# Altium PCB PCB3.PcbDoc (part 2 of 5) (continued)
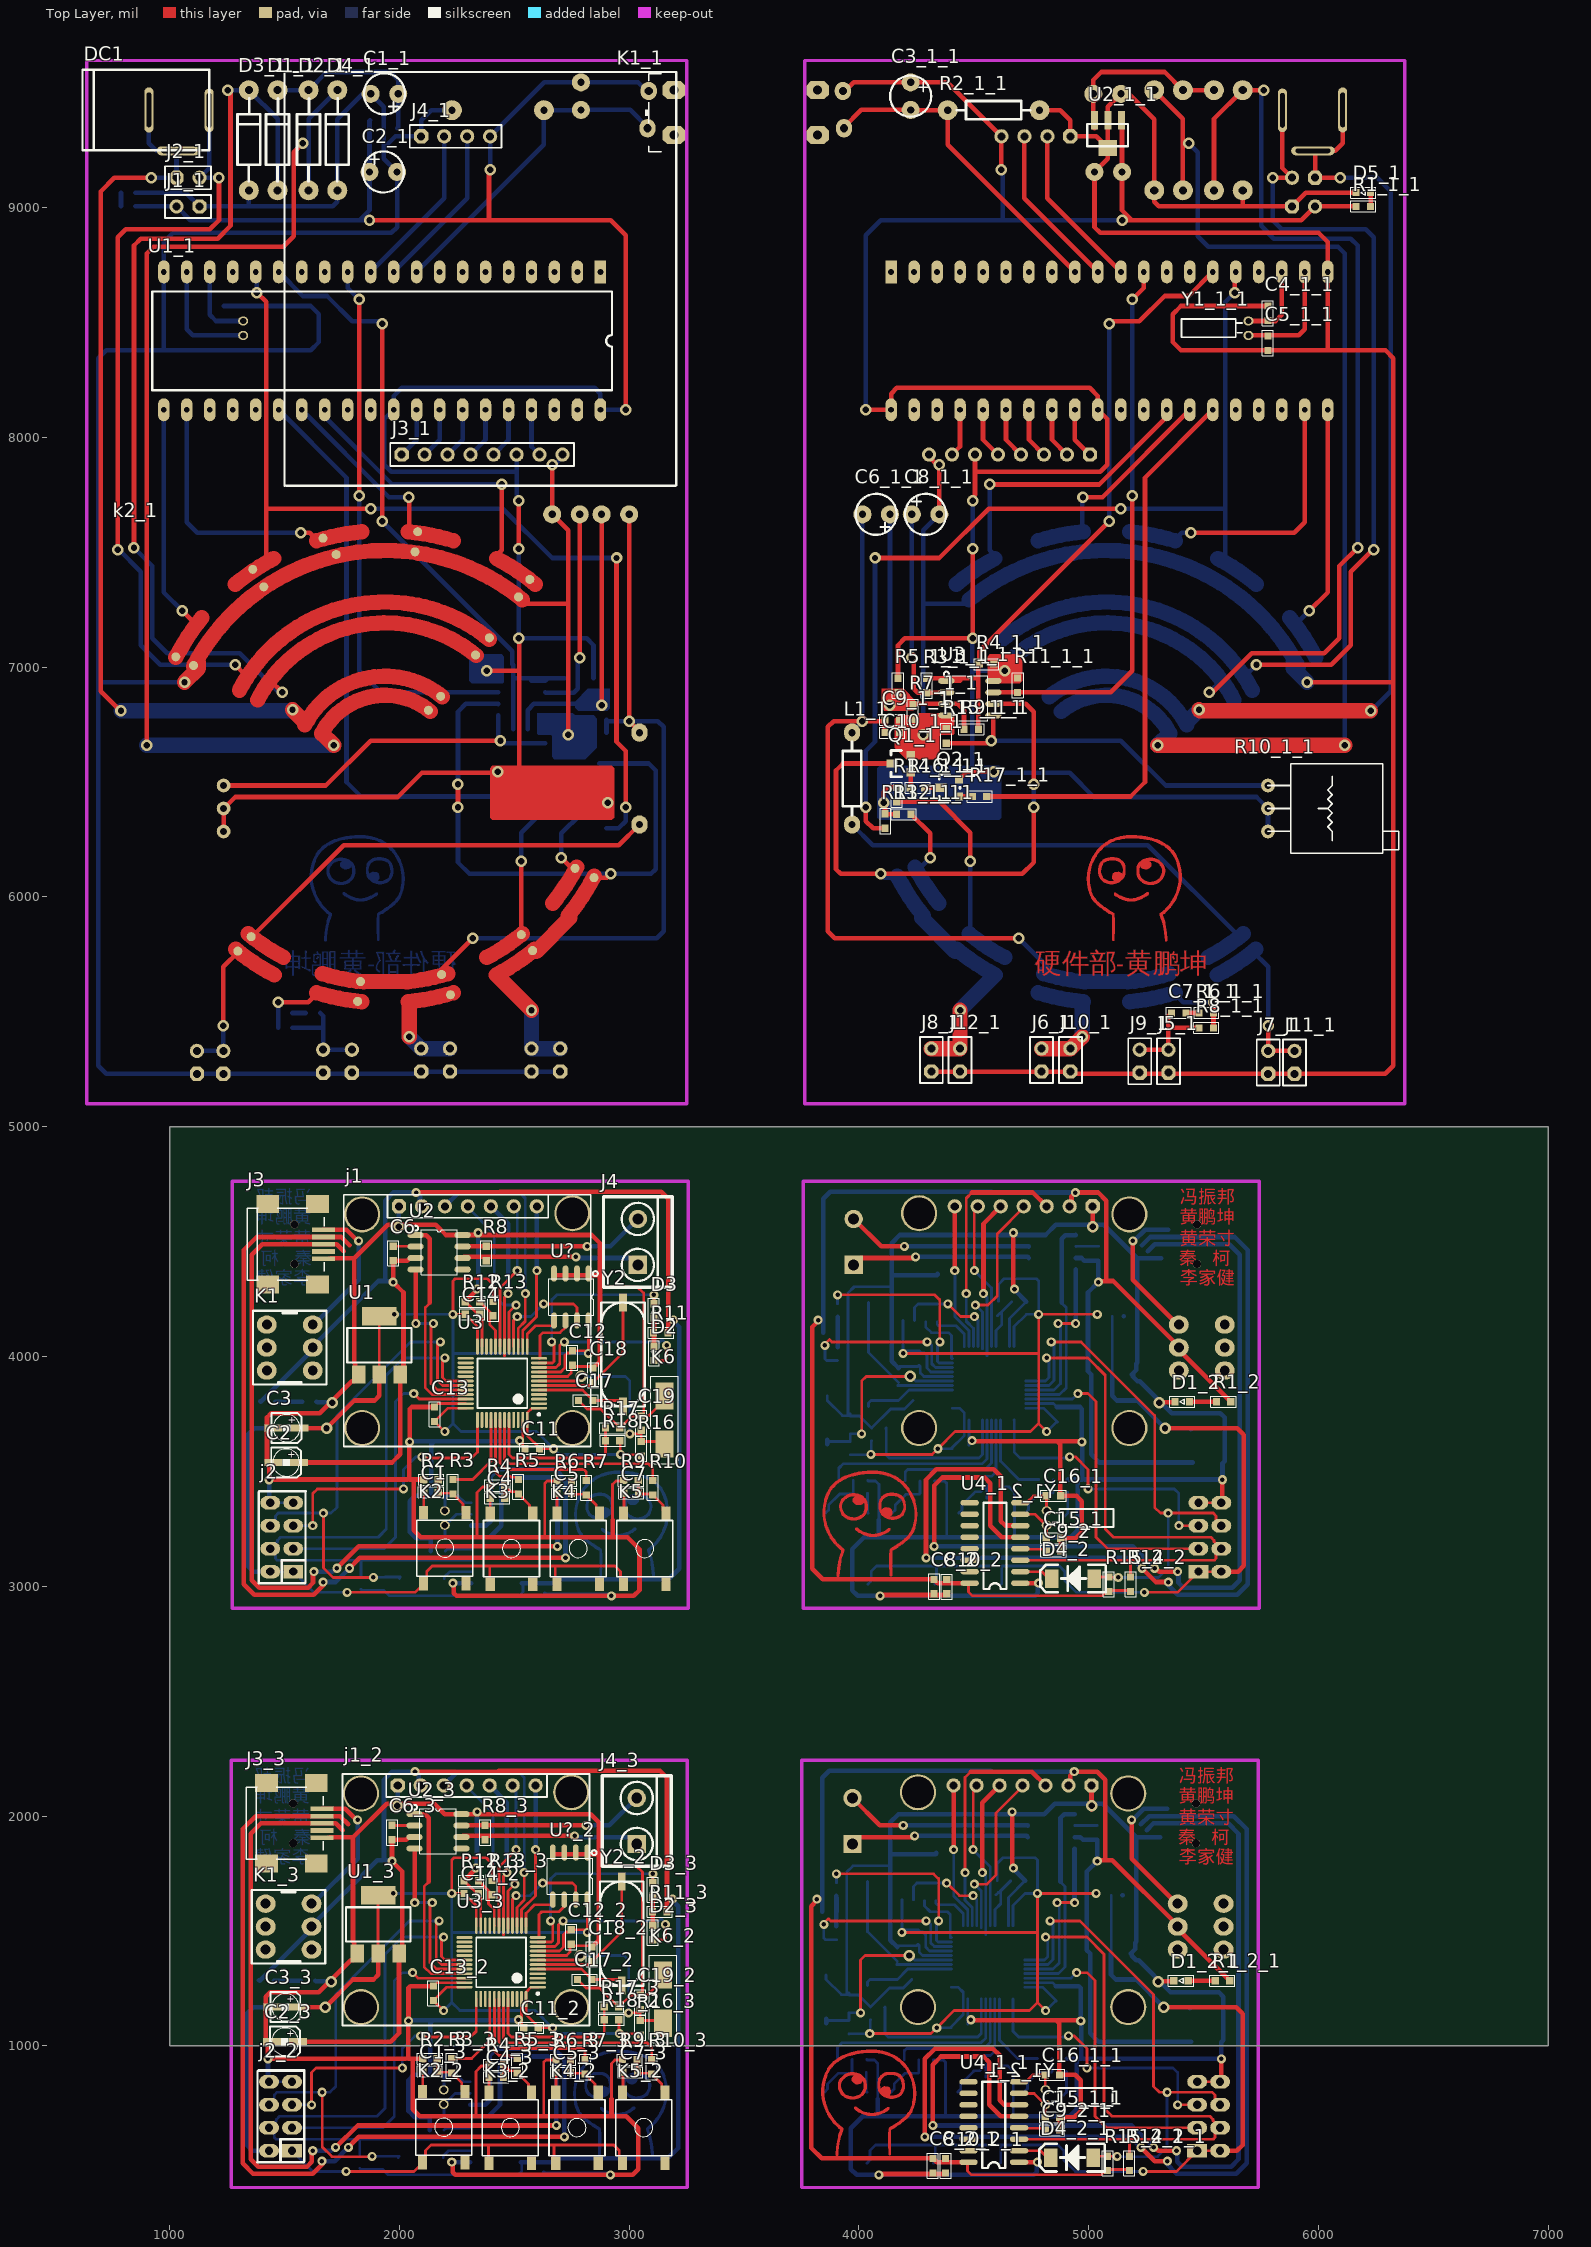
[diagram p0: Top Layer view]
## Nets (pads, with @x,y where several pads share a name; then routed paths per layer and width w, separated by ;. In a path a pad name is that pad's centre, name@x,y a point inside that pad or via, vN(x,y) a via of type N, cw(c..) or ccw(c..) an arc to the next point about the centre after c; other vN are vias at no path point) (continued)
4144,3096 ; 4132,3098 4144,3098 ; 4132,3100 4144,3100 ; 4132,3102 4144,3102 ; 4132,3104 4144,3104 ; 4132,3106 4144,3106 ; 4132,3108 4144,3108 ; 4132,3110 4144,3110 ; 4132,3112 4144,3112 ; 4132,3114 4144,3114 ; 4132,3116 4144,3116 ; 4132,3118 4144,3118 ; 4132,3120 4144,3120 ; 4132,3122 4144,3122 ; 4132,3124 4144,3124 ; 4132,3126 4144,3126 ; 4132,3128 4144,3128 ; 4132,3130 4144,3130 ; 4132,3132 4144,3132 ; 4132,3134 4144,3134 ; 4132,3136 4144,3136 ; 4132,3138 4144,3138 ; 4132,3140 4144,3140 ; 4132,3142 4144,3142 ; 4132,3144 4144,3144 ; 4132,3480 4158,3480 ; 4134,3048 4144,3048 ; 4134,3050 4144,3050 ; 4134,3052 4144,3052 ; 4134,3054 4144,3054 ; 4134,3056 4144,3056 ; 4134,3058 4144,3058 ; 4134,3060 4144,3060 ; 4134,3062 4144,3062 ; 4134,3064 4144,3064 ; 4134,3066 4144,3066 ; 4134,3068 4144,3068 ; 4134,3070 4144,3070 ; 4134,3072 4144,3072 ; 4134,3074 4144,3074 ; 4134,3078 4144,3078 ; 4134,3146 4144,3146 ; 4134,3148 4144,3148 ; 4134,3150 4144,3150 ; 4134,3152 4144,3152 ; 4134,3154 4144,3154 ; 4134,3156 4144,3156 ; 4134,3158 4146,3158 ; 4134,3160 4150,3160 ; 4134,3406 4152,3406 ; 4135,646 4157,646 ; 4135,772 4149,772 ; 4135,956 4159,956 ; 4136,3046 4142,3046 ; 4136,3162 4154,3162 ; 4136,3164 4158,3164 ; 4136,3478 4160,3478 ; 4137,648 4159,648 ; 4140,3166 4162,3166 ; 4140,3292 4154,3292 ; 4140,3476 4164,3476 ; 4141,650 4163,650 ; 4141,954 4163,954 ; 4142,3168 4164,3168 ; 4145,652 4165,652 ; 4145,952 4167,952 ; 4146,3170 4168,3170 ; 4146,3474 4168,3474 ; 4149,654 4167,654 ; 4149,950 4169,950 ; 4150,3172 4170,3172 ; 4150,3472 4172,3472 ; 4151,656 4171,656 ; 4151,948 4171,948 ; 4153,874 4181,874 ; 4154,3174 4172,3174 ; 4154,3470 4174,3470 ; 4155,658 4175,658 ; 4155,784 4179,784 ; 4155,946 4175,946 ; 4156,3176 4176,3176 ; 4156,3468 4176,3468 ; 4157,660 4177,660 ; 4158,3394 4186,3394 ; 4159,944 4177,944 ; 4160,3178 4180,3178 ; 4160,3304 4184,3304 ; 4160,3466 4180,3466 ; 4161,662 4179,662 ; 4161,786 4183,786 ; 4161,942 4179,942 ; 4162,3180 4182,3180 ; 4163,664 4183,664 ; 4163,872 4183,872 ; 4163,940 4181,940 ; 4164,3464 4182,3464 ; 4165,788 4185,788 ; 4166,3182 4184,3182 ; 4166,3306 4188,3306 ; 4166,3462 4184,3462 ; 4167,666 4185,666 ; 4167,870 4185,870 ; 4167,938 4185,938 ; 4168,3184 4188,3184 ; 4168,3392 4188,3392 ; 4168,3460 4186,3460 ; 4169,668 4187,668 ; 4169,790 4187,790 ; 4169,936 4187,936 ; 4170,3308 4190,3308 ; 4171,868 4187,868 ; 4172,3186 4190,3186 ; 4172,3390 4190,3390 ; 4172,3458 4190,3458 ; 4173,670 4189,670 ; 4173,792 4187,792 ; 4173,866 4189,866 ; 4173,934 4189,934 ; 4174,3188 4192,3188 ; 4174,3310 4192,3310 ; 4174,3456 4192,3456 ; 4175,672 4193,672 ; 4175,794 4189,794 ; 4175,932 4191,932 ; 4176,3388 4192,3388 ; 4177,674 4195,674 ; 4177,796 4191,796 ; 4177,862 4191,862 ; 4177,864 4189,864 ; 4177,930 4193,930 ; 4178,3190 4194,3190 ; 4178,3312 4192,3312 ; 4178,3386 4194,3386 ; 4178,3454 4194,3454 ; 4179,798 4191,798 ; 4179,860 4193,860 ; 4179,928 4195,928 ; 4180,3192 4198,3192 ; 4180,3314 4194,3314 ; 4180,3452 4196,3452 ; 4181,676 4197,676 ; 4181,800 4193,800 ; 4181,802 4193,802 ; 4181,856 4193,856 ; 4181,858 4193,858 ; 4181,926 4197,926 ; 4182,3194 4200,3194 ; 4182,3316 4196,3316 ; 4182,3382 4196,3382 ; 4182,3384 4194,3384 ; 4182,3450 4198,3450 ; 4183,678 4199,678 ; 4183,804 4195,804 ; 4183,806 4195,806 ; 4183,852 4195,852 ; 4183,854 4195,854 ; 4183,924 4199,924 ; 4184,3318 4196,3318 ; 4184,3380 4198,3380 ; 4184,3448 4200,3448 ; 4185,680 4203,680 ; 4185,808 4197,808 ; 4185,810 4197,810 ; 4185,846 4197,846 ; 4185,848 4197,848 ; 4185,850 4197,850 ; 4185,922 4201,922 ; 4186,3196 4202,3196 ; 4186,3320 4198,3320 ; 4186,3322 4198,3322 ; 4186,3376 4198,3376 ; 4186,3378 4198,3378 ; 4186,3446 4202,3446 ; 4187,812 4197,812 ; 4187,814 4197,814 ; 4187,816 4199,816 ; 4187,818 4199,818 ; 4187,834 4199,834 ; 4187,836 4199,836 ; 4187,838 4199,838 ; 4187,840 4197,840 ; 4187,842 4197,842 ; 4187,844 4197,844 ; 4187,920 4203,920 ; 4188,3198 4204,3198 ; 4188,3324 4200,3324 ; 4188,3326 4200,3326 ; 4188,3372 4200,3372 ; 4188,3374 4200,3374 ; 4188,3444 4204,3444 ; 4189,682 4205,682 ; 4189,820 4199,820 ; 4189,822 4199,822 ; 4189,824 4199,824 ; 4189,826 4199,826 ; 4189,828 4199,828 ; 4189,830 4199,830 ; 4189,832 4199,832 ; 4189,918 4203,918 ; 4190,3200 4208,3200 ; 4190,3328 4202,3328 ; 4190,3330 4202,3330 ; 4190,3366 4202,3366 ; 4190,3368 4202,3368 ; 4190,3370 4202,3370 ; 4190,3442 4206,3442 ; 4191,684 4207,684 ; 4191,916 4205,916 ; 4192,3332 4202,3332 ; 4192,3334 4202,3334 ; 4192,3336 4204,3336 ; 4192,3338 4204,3338 ; 4192,3354 4204,3354 ; 4192,3356 4204,3356 ; 4192,3358 4204,3358 ; 4192,3360 4202,3360 ; 4192,3362 4202,3362 ; 4192,3364 4202,3364 ; 4192,3440 4208,3440 ; 4193,686 4209,686 ; 4193,914 4207,914 ; 4194,3202 4210,3202 ; 4194,3340 4204,3340 ; 4194,3342 4204,3342 ; 4194,3344 4204,3344 ; 4194,3346 4204,3346 ; 4194,3348 4204,3348 ; 4194,3350 4204,3350 ; 4194,3352 4204,3352 ; 4194,3438 4208,3438 ; 4195,688 4211,688 ; 4195,910 4209,910 ; 4195,912 4209,912 ; 4196,3204 4212,3204 ; 4196,3436 4210,3436 ; 4197,690 4213,690 ; 4197,908 4211,908 ; 4198,3206 4214,3206 ; 4198,3434 4212,3434 ; 4199,692 4215,692 ; 4199,906 4213,906 ; 4200,3208 4216,3208 ; 4200,3430 4214,3430 ; 4200,3432 4214,3432 ; 4201,694 4217,694 ; 4201,904 4215,904 ; 4202,3210 4218,3210 ; 4202,3428 4216,3428 ; 4203,696 4219,696 ; 4203,900 4217,900 ; 4203,902 4215,902 ; 4204,3212 4220,3212 ; 4204,3426 4218,3426 ; 4205,698 4219,698 ; 4205,898 4217,898 ; 4206,3214 4222,3214 ; 4206,3424 4220,3424 ; 4207,700 4221,700 ; 4207,894 4221,894 ; 4207,896 4219,896 ; 4208,3216 4224,3216 ; 4208,3420 4222,3420 ; 4208,3422 4220,3422 ; 4209,702 4223,702 ; 4209,892 4221,892 ; 4210,3218 4224,3218 ; 4210,3418 4222,3418 ; 4211,704 4225,704 ; 4211,706 4225,706 ; 4211,888 4223,888 ; 4211,890 4223,890 ; 4212,3220 4226,3220 ; 4212,3414 4226,3414 ; 4212,3416 4224,3416 ; 4213,708 4227,708 ; 4213,884 4225,884 ; 4213,886 4225,886 ; 4214,3222 4228,3222 ; 4214,3412 4226,3412 ; 4215,710 4229,710 ; 4215,880 4227,880 ; 4215,882 4227,882 ; 4216,3224 4230,3224 ; 4216,3226 4230,3226 ; 4216,3408 4228,3408 ; 4216,3410 4228,3410 ; 4217,712 4229,712 ; 4217,876 4231,876 ; 4217,878 4229,878 ; 4218,3228 4232,3228 ; 4218,3404 4230,3404 ; 4218,3406 4230,3406 ; 4219,714 4231,714 ; 4219,716 4231,716 ; 4219,872 4231,872 ; 4219,874 4231,874 ; 4220,3230 4234,3230 ; 4220,3400 4232,3400 ; 4220,3402 4232,3402 ; 4221,718 4233,718 ; 4221,720 4233,720 ; 4221,868 4233,868 ; 4221,870 4233,870 ; 4222,3232 4234,3232 ; 4222,3396 4236,3396 ; 4222,3398 4234,3398 ; 4223,722 4235,722 ; 4223,724 4235,724 ; 4223,864 4235,864 ; 4223,866 4235,866 ; 4224,3234 4236,3234 ; 4224,3236 4236,3236 ; 4224,3392 4236,3392 ; 4224,3394 4236,3394 ; 4225,726 4235,726 ; 4225,728 4237,728 ; 4225,730 4237,730 ; 4225,858 4237,858 ; 4225,860 4237,860 ; 4225,862 4235,862 ; 4226,3238 4238,3238 ; 4226,3240 4238,3240 ; 4226,3388 4238,3388 ; 4226,3390 4238,3390 ; 4227,732 4239,732 ; 4227,734 4239,734 ; 4227,852 4239,852 ; 4227,854 4239,854 ; 4227,856 4239,856 ; 4228,3242 4240,3242 ; 4228,3244 4240,3244 ; 4228,3384 4240,3384 ; 4228,3386 4240,3386 ; 4229,736 4239,736 ; 4229,738 4239,738 ; 4229,740 4241,740 ; 4229,846 4241,846 ; 4229,848 4241,848 ; 4229,850 4239,850 ; 4230,3246 4240,3246 ; 4230,3248 4242,3248 ; 4230,3250 4242,3250 ; 4230,3378 4242,3378 ; 4230,3380 4242,3380 ; 4230,3382 4240,3382 ; 4231,742 4241,742 ; 4231,744 4241,744 ; 4231,746 4243,746 ; 4231,748 4243,748 ; 4231,750 4243,750 ; 4231,840 4243,840 ; 4231,842 4243,842 ; 4231,844 4241,844 ; 4232,3252 4244,3252 ; 4232,3254 4244,3254 ; 4232,3372 4244,3372 ; 4232,3374 4244,3374 ; 4232,3376 4244,3376 ; 4233,752 4243,752 ; 4233,754 4245,754 ; 4233,756 4245,756 ; 4233,758 4245,758 ; 4233,830 4245,830 ; 4233,832 4245,832 ; 4233,834 4243,834 ; 4233,836 4243,836 ; 4233,838 4243,838 ; 4234,3256 4244,3256 ; 4234,3258 4244,3258 ; 4234,3260 4246,3260 ; 4234,3366 4246,3366 ; 4234,3368 4246,3368 ; 4234,3370 4244,3370 ; 4235,760 4245,760 ; 4235,762 4245,762 ; 4235,764 4245,764 ; 4235,766 4247,766 ; 4235,768 4247,768 ; 4235,770 4247,770 ; 4235,818 4247,818 ; 4235,820 4247,820 ; 4235,822 4247,822 ; 4235,824 4245,824 ; 4235,826 4245,826 ; 4235,828 4245,828 ; 4236,3262 4246,3262 ; 4236,3264 4246,3264 ; 4236,3266 4248,3266 ; 4236,3268 4248,3268 ; 4236,3270 4248,3270 ; 4236,3360 4248,3360 ; 4236,3362 4248,3362 ; 4236,3364 4246,3364 ; 4237,772 4247,772 ; 4237,774 4247,774 ; 4237,776 4247,776 ; 4237,778 4247,778 ; 4237,780 4247,780 ; 4237,782 4247,782 ; 4237,784 4247,784 ; 4237,786 4249,786 ; 4237,788 4249,788 ; 4237,790 4249,790 ; 4237,792 4249,792 ; 4237,794 4249,794 ; 4237,796 4249,796 ; 4237,798 4249,798 ; 4237,800 4249,800 ; 4237,802 4249,802 ; 4237,804 4247,804 ; 4237,806 4247,806 ; 4237,808 4247,808 ; 4237,810 4247,810 ; 4237,812 4247,812 ; 4237,814 4247,814 ; 4237,816 4247,816 ; 4238,3272 4248,3272 ; 4238,3274 4250,3274 ; 4238,3276 4250,3276 ; 4238,3278 4250,3278 ; 4238,3350 4250,3350 ; 4238,3352 4250,3352 ; 4238,3354 4248,3354 ; 4238,3356 4248,3356 ; 4238,3358 4248,3358 ; 4240,3280 4250,3280 ; 4240,3282 4250,3282 ; 4240,3284 4250,3284 ; 4240,3286 4252,3286 ; 4240,3288 4252,3288 ; 4240,3290 4252,3290 ; 4240,3338 4252,3338 ; 4240,3340 4252,3340 ; 4240,3342 4252,3342 ; 4240,3344 4250,3344 ; 4240,3346 4250,3346 ; 4240,3348 4250,3348 ; 4242,3292 4252,3292 ; 4242,3294 4252,3294 ; 4242,3296 4252,3296 ; 4242,3298 4252,3298 ; 4242,3300 4252,3300 ; 4242,3302 4252,3302 ; 4242,3304 4252,3304 ; 4242,3306 4254,3306 ; 4242,3308 4254,3308 ; 4242,3310 4254,3310 ; 4242,3312 4254,3312 ; 4242,3314 4254,3314 ; 4242,3316 4254,3316 ; 4242,3318 4254,3318 ; 4242,3320 4254,3320 ; 4242,3322 4254,3322 ; 4242,3324 4252,3324 ; 4242,3326 4252,3326 ; 4242,3328 4252,3328 ; 4242,3330 4252,3330 ; 4242,3332 4252,3332 ; 4242,3334 4252,3334 ; 4242,3336 4252,3336 ; 4992,6072 5004,6072 ; 4992,6074 5004,6074 ; 4992,6076 5004,6076 ; 4992,6078 5004,6078 ; 4992,6080 5004,6080 ; 4992,6082 5004,6082 ; 4992,6084 5004,6084 ; 4992,6086 5004,6086 ; 4992,6088 5004,6088 ; 4994,6052 5006,6052 ; 4994,6054 5006,6054 ; 4994,6056 5006,6056 ; 4994,6058 5004,6058 ; 4994,6060 5004,6060 ; 4994,6062 5004,6062 ; 4994,6064 5004,6064 ; 4994,6066 5004,6066 ; 4994,6068 5004,6068 ; 4994,6070 5004,6070 ; 4994,6090 5004,6090 ; 4994,6092 5004,6092 ; 4994,6094 5004,6094 ; 4994,6096 5004,6096 ; 4994,6098 5004,6098 ; 4994,6100 5004,6100 ; 4994,6102 5004,6102 ; 4994,6104 5006,6104 ; 4994,6106 5006,6106 ; 4994,6108 5006,6108 ; 4996,6040 5008,6040 ; 4996,6042 5008,6042 ; 4996,6044 5008,6044 ; 4996,6046 5006,6046 ; 4996,6048 5006,6048 ; 4996,6050 5006,6050 ; 4996,6110 5006,6110 ; 4996,6112 5006,6112 ; 4996,6114 5006,6114 ; 4996,6116 5008,6116 ; 4996,6118 5008,6118 ; 4998,6032 5010,6032 ; 4998,6034 5010,6034 ; 4998,6036 5010,6036 ; 4998,6038 5008,6038 ; 4998,6120 5008,6120 ; 4998,6122 5008,6122 ; 4998,6124 5008,6124 ; 4998,6126 5010,6126 ; 4998,6128 5010,6128 ; 5000,6026 5012,6026 ; 5000,6028 5010,6028 ; 5000,6030 5010,6030 ; 5000,6130 5010,6130 ; 5000,6132 5012,6132 ; 5000,6134 5012,6134 ; 5002,6018 5014,6018 ; 5002,6020 5014,6020 ; 5002,6022 5012,6022 ; 5002,6024 5012,6024 ; 5002,6136 5012,6136 ; 5002,6138 5014,6138 ; 5002,6140 5014,6140 ; 5002,6142 5014,6142 ; 5004,6014 5016,6014 ; 5004,6016 5016,6016 ; 5004,6144 5016,6144 ; 5004,6146 5016,6146 ; 5006,6008 5018,6008 ; 5006,6010 5018,6010 ; 5006,6012 5016,6012 ; 5006,6148 5016,6148 ; 5006,6150 5018,6150 ; 5006,6152 5018,6152 ; 5008,6004 5020,6004 ; 5008,6006 5020,6006 ; 5008,6154 5020,6154 ; 5008,6156 5020,6156 ; 5010,6000 5022,6000 ; 5010,6002 5022,6002 ; 5010,6158 5022,6158 ; 5010,6160 5022,6160 ; 5010,6162 5024,6162 ; 5012,5996 5026,5996 ; 5012,5998 5024,5998 ; 5012,6164 5024,6164 ; 5014,5994 5028,5994 ; 5014,6166 5026,6166 ; 5014,6168 5026,6168 ; 5016,5990 5030,5990 ; 5016,5992 5030,5992 ; 5016,6170 5028,6170 ; 5016,6172 5028,6172 ; 5018,5988 5032,5988 ; 5018,6174 5030,6174 ; 5018,6176 5030,6176 ; 5020,5986 5034,5986 ; 5020,6178 5032,6178 ; 5020,6180 5034,6180 ; 5022,5982 5038,5982 ; 5022,5984 5036,5984 ; 5022,6182 5034,6182 ; 5024,5980 5040,5980 ; 5024,6184 5036,6184 ; 5024,6186 5038,6186 ; 5026,5978 5042,5978 ; 5026,6188 5038,6188 ; 5026,6190 5040,6190 ; 5028,5976 5044,5976 ; 5028,6192 5042,6192 ; 5030,5974 5046,5974 ; 5030,6194 5044,6194 ; 5032,5972 5048,5972 ; 5032,6196 5046,6196 ; 5032,6198 5046,6198 ; 5034,5970 5050,5970 ; 5034,6200 5048,6200 ; 5036,5968 5052,5968 ; 5036,6202 5050,6202 ; 5038,5966 5056,5966 ; 5038,6204 5052,6204 ; 5038,6206 5054,6206 ; 5040,6208 5056,6208 ; 5042,5964 5058,5964 ; 5042,6102 5054,6102 ; 5042,6104 5054,6104 ; 5042,6106 5052,6106 ; 5042,6108 5052,6108 ; 5042,6110 5052,6110 ; 5042,6112 5052,6112 ; 5042,6114 5052,6114 ; 5042,6116 5052,6116 ; 5042,6118 5052,6118 ; 5042,6120 5054,6120 ; 5042,6122 5054,6122 ; 5042,6124 5054,6124 ; 5042,6210 5058,6210 ; 5044,5962 5060,5962 ; 5044,6094 5056,6094 ; 5044,6096 5056,6096 ; 5044,6098 5054,6098 ; 5044,6100 5054,6100 ; 5044,6126 5054,6126 ; 5044,6128 5054,6128 ; 5044,6130 5054,6130 ; 5044,6132 5056,6132 ; 5044,6134 5056,6134 ; 5044,6136 5056,6136 ; 5044,6212 5060,6212 ; 5046,5960 5064,5960 ; 5046,6090 5058,6090 ; 5046,6092 5058,6092 ; 5046,6138 5058,6138 ; 5046,6140 5058,6140 ; 5046,6214 5062,6214 ; 5048,5958 5066,5958 ; 5048,6086 5060,6086 ; 5048,6088 5060,6088 ; 5048,6142 5060,6142 ; 5048,6144 5060,6144 ; 5048,6146 5062,6146 ; 5048,6216 5064,6216 ; 5050,6082 5064,6082 ; 5050,6084 5062,6084 ; 5050,6148 5064,6148 ; 5050,6218 5066,6218 ; 5052,5956 5068,5956 ; 5052,6080 5066,6080 ; 5052,6150 5064,6150 ; 5052,6152 5068,6152 ; 5052,6220 5068,6220 ; 5054,5954 5072,5954 ; 5054,6076 5072,6076 ; 5054,6078 5068,6078 ; 5054,6154 5070,6154 ; 5054,6222 5072,6222 ; 5056,5952 5074,5952 ; 5056,6074 5076,6074 ; 5056,6156 5074,6156 ; 5056,6224 5074,6224 ; 5058,5950 5078,5950 ; 5058,6072 5080,6072 ; 5058,6158 5078,6158 ; 5060,6160 5088,6160 ; 5060,6226 5078,6226 ; 5062,5948 5080,5948 ; 5062,6070 5086,6070 ; 5062,6162 5140,6162 ; 5062,6228 5080,6228 ; 5064,5946 5084,5946 ; 5064,6068 5136,6068 ; 5064,6230 5082,6230 ; 5066,5944 5086,5944 ; 5066,6066 5132,6066 ; 5066,6164 5138,6164 ; 5066,6232 5086,6232 ; 5070,5942 5090,5942 ; 5070,6064 5128,6064 ; 5070,6166 5134,6166 ; 5070,6234 5090,6234 ; 5072,6236 5092,6236 ; 5074,5940 5092,5940 ; 5074,6168 5130,6168 ; 5074,6238 5096,6238 ; 5076,5938 5096,5938 ; 5076,6062 5122,6062 ; 5078,5936 5100,5936 ; 5078,6240 5100,6240 ; 5082,5934 5104,5934 ; 5082,6060 5116,6060 ; 5082,6170 5124,6170 ; 5082,6242 5106,6242 ; 5084,5932 5106,5932 ; 5086,6244 5110,6244 ; 5088,5930 5110,5930 ; 5088,6246 5114,6246 ; 5092,5928 5110,5928 ; 5092,6058 5106,6058 ; 5092,6248 5120,6248 ; 5094,6172 5112,6172 ; 5096,5926 5112,5926 ; 5096,6250 5126,6250 ; 5100,5924 5112,5924 ; 5102,5814 5112,5814 ; 5102,5816 5112,5816 ; 5102,5818 5112,5818 ; 5102,5820 5112,5820 ; 5102,5822 5112,5822 ; 5102,5824 5112,5824 ; 5102,5826 5112,5826 ; 5102,5828 5112,5828 ; 5102,5830 5112,5830 ; 5102,5832 5112,5832 ; 5102,5834 5112,5834 ; 5102,5836 5112,5836 ; 5102,5838 5112,5838 ; 5102,5840 5112,5840 ; 5102,5842 5114,5842 ; 5102,5844 5112,5844 ; 5102,5846 5114,5846 ; 5102,5848 5114,5848 ; 5102,5850 5114,5850 ; 5102,5852 5114,5852 ; 5102,5854 5114,5854 ; 5102,5856 5114,5856 ; 5102,5858 5114,5858 ; 5102,5860 5114,5860 ; 5102,5862 5114,5862 ; 5102,5864 5114,5864 ; 5102,5866 5114,5866 ; 5102,5868 5114,5868 ; 5102,5870 5114,5870 ; 5102,5872 5114,5872 ; 5102,5874 5114,5874 ; 5102,5876 5114,5876 ; 5102,5878 5114,5878 ; 5102,5880 5114,5880 ; 5102,5882 5114,5882 ; 5102,5884 5114,5884 ; 5102,5886 5114,5886 ; 5102,5888 5114,5888 ; 5102,5890 5114,5890 ; 5102,5892 5114,5892 ; 5102,5894 5114,5894 ; 5102,5896 5114,5896 ; 5102,5898 5114,5898 ; 5102,5900 5114,5900 ; 5102,5902 5114,5902 ; 5102,5904 5114,5904 ; 5102,5906 5114,5906 ; 5102,5908 5114,5908 ; 5102,5910 5114,5910 ; 5102,5912 5112,5912 ; 5102,5914 5112,5914 ; 5102,5916 5112,5916 ; 5102,5918 5112,5918 ; 5102,5920 5112,5920 ; 5102,5922 5112,5922 ; 5102,6082 5150,6082 ; 5102,6084 5150,6084 ; 5102,6086 5152,6086 ; 5102,6088 5154,6088 ; 5102,6090 5154,6090 ; 5102,6092 5156,6092 ; 5102,6252 5134,6252 ; 5104,5812 5110,5812 ; 5104,6078 5146,6078 ; 5104,6080 5148,6080 ; 5104,6094 5156,6094 ; 5104,6096 5156,6096 ; 5104,6098 5158,6098 ; 5104,6100 5158,6100 ; 5106,6074 5142,6074 ; 5106,6076 5144,6076 ; 5106,6102 5144,6102 ; 5106,6254 5142,6254 ; 5108,6104 5142,6104 ; 5110,6012 5126,6012 ; 5110,6014 5124,6014 ; 5110,6016 5120,6016 ; 5110,6018 5118,6018 ; 5110,6070 5138,6070 ; 5110,6072 5140,6072 ; 5110,6106 5140,6106 ; 5110,6256 5156,6256 ; 5112,6010 5130,6010 ; 5114,6008 5132,6008 ; 5114,6108 5136,6108 ; 5116,6006 5136,6006 ; 5116,6258 5274,6258 ; 5118,6004 5142,6004 ; 5120,6160 5142,6160 ; 5122,6002 5146,6002 ; 5122,6260 5266,6260 ; 5126,6000 5150,6000 ; 5126,6158 5146,6158 ; 5128,5998 5156,5998 ; 5128,6110 5130,6110 ; 5130,6156 5148,6156 ; 5130,6262 5256,6262 ; 5132,5996 5164,5996 ; 5134,6154 5148,6154 ; 5136,5994 5174,5994 ; 5136,6152 5150,6152 ; 5138,6150 5152,6150 ; 5138,6264 5248,6264 ; 5140,6148 5152,6148 ; 5142,5992 5228,5992 ; 5142,6144 5156,6144 ; 5142,6146 5154,6146 ; 5144,6140 5156,6140 ; 5144,6142 5156,6142 ; 5146,5990 5222,5990 ; 5146,6136 5158,6136 ; 5146,6138 5158,6138 ; 5148,6102 5158,6102 ; 5148,6104 5160,6104 ; 5148,6106 5160,6106 ; 5148,6108 5160,6108 ; 5148,6110 5160,6110 ; 5148,6126 5160,6126 ; 5148,6128 5160,6128 ; 5148,6130 5160,6130 ; 5148,6132 5158,6132 ; 5148,6134 5158,6134 ; 5150,6112 5160,6112 ; 5150,6114 5160,6114 ; 5150,6116 5160,6116 ; 5150,6118 5160,6118 ; 5150,6120 5160,6120 ; 5150,6122 5160,6122 ; 5150,6124 5160,6124 ; 5150,6266 5232,6266 ; 5152,5988 5216,5988 ; 5158,5986 5210,5986 ; 5164,6268 5210,6268 ; 5168,5984 5202,5984 ; 5194,5994 5232,5994 ; 5206,5996 5236,5996 ; 5208,6102 5220,6102 ; 5208,6104 5220,6104 ; 5208,6106 5220,6106 ; 5208,6108 5220,6108 ; 5208,6110 5220,6110 ; 5208,6112 5220,6112 ; 5208,6114 5220,6114 ; 5208,6116 5220,6116 ; 5208,6118 5220,6118 ; 5208,6120 5220,6120 ; 5208,6122 5220,6122 ; 5210,6096 5222,6096 ; 5210,6098 5222,6098 ; 5210,6100 5220,6100 ; 5210,6124 5220,6124 ; 5210,6126 5220,6126 ; 5210,6128 5220,6128 ; 5210,6130 5222,6130 ; 5210,6132 5222,6132 ; 5210,6134 5222,6134 ; 5212,5998 5238,5998 ; 5212,6090 5224,6090 ; 5212,6092 5224,6092 ; 5212,6094 5222,6094 ; 5212,6136 5224,6136 ; 5212,6138 5272,6138 ; 5214,6086 5226,6086 ; 5214,6088 5226,6088 ; 5214,6140 5272,6140 ; 5214,6142 5272,6142 ; 5216,6082 5230,6082 ; 5216,6084 5228,6084 ; 5216,6144 5272,6144 ; 5216,6146 5272,6146 ; 5218,6000 5244,6000 ; 5218,6080 5232,6080 ; 5218,6148 5270,6148 ; 5220,6076 5236,6076 ; 5220,6078 5234,6078 ; 5220,6150 5270,6150 ; 5222,6074 5240,6074 ; 5222,6152 5268,6152 ; 5222,6256 5280,6256 ; 5224,6002 5246,6002 ; 5224,6072 5242,6072 ; 5224,6154 5266,6154 ; 5226,6070 5246,6070 ; 5226,6132 5268,6132 ; 5226,6134 5270,6134 ; 5226,6136 5272,6136 ; 5226,6156 5264,6156 ; 5228,6004 5248,6004 ; 5228,6130 5266,6130 ; 5228,6158 5260,6158 ; 5230,6068 5252,6068 ; 5230,6128 5264,6128 ; 5230,6160 5306,6160 ; 5232,6006 5252,6006 ; 5232,6066 5260,6066 ; 5232,6126 5262,6126 ; 5234,6008 5254,6008 ; 5234,6064 5304,6064 ; 5234,6162 5302,6162 ; 5236,6124 5258,6124 ; 5238,6010 5258,6010 ; 5238,6062 5300,6062 ; 5238,6164 5298,6164 ; 5240,6254 5286,6254 ; 5242,6012 5260,6012 ; 5242,6060 5296,6060 ; 5244,6014 5262,6014 ; 5244,6122 5254,6122 ; 5244,6166 5294,6166 ; 5246,6016 5262,6016 ; 5248,6058 5290,6058 ; 5250,6018 5262,6018 ; 5250,6168 5288,6168 ; 5252,6020 5260,6020 ; 5252,6252 5292,6252 ; 5256,6056 5282,6056 ; 5260,6250 5298,6250 ; 5262,6170 5278,6170 ; 5268,6248 5302,6248 ; 5274,6066 5306,6066 ; 5276,6246 5308,6246 ; 5282,6244 5312,6244 ; 5284,6158 5308,6158 ; 5286,6068 5310,6068 ; 5288,6242 5316,6242 ; 5290,6156 5310,6156 ; 5292,6070 5312,6070 ; 5294,6154 5312,6154 ; 5294,6240 5320,6240 ; 5296,6072 5314,6072 ; 5298,6074 5316,6074 ; 5298,6152 5314,6152 ; 5298,6238 5322,6238 ; 5300,6150 5316,6150 ; 5302,6076 5318,6076 ; 5302,6148 5318,6148 ; 5302,6236 5326,6236 ; 5304,6078 5320,6078 ; 5306,6080 5320,6080 ; 5306,6146 5320,6146 ; 5306,6234 5330,6234 ; 5308,6082 5322,6082 ; 5308,6144 5322,6144 ; 5310,5920 5322,5920 ; 5310,5922 5322,5922 ; 5310,5924 5322,5924 ; 5310,5926 5324,5926 ; 5310,5928 5328,5928 ; 5310,6084 5322,6084 ; 5310,6140 5324,6140 ; 5310,6142 5322,6142 ; 5312,5914 5324,5914 ; 5312,5916 5324,5916 ; 5312,5918 5322,5918 ; 5312,5930 5330,5930 ; 5312,6086 5324,6086 ; 5312,6088 5324,6088 ; 5312,6138 5326,6138 ; 5312,6232 5334,6232 ; 5314,5908 5326,5908 ; 5314,5910 5326,5910 ; 5314,5912 5324,5912 ; 5314,5932 5332,5932 ; 5314,6090 5326,6090 ; 5314,6092 5326,6092 ; 5314,6136 5326,6136 ; 5316,5902 5328,5902 ; 5316,5904 5328,5904 ; 5316,5906 5328,5906 ; 5316,5934 5334,5934 ; 5316,6094 5328,6094 ; 5316,6096 5328,6096 ; 5316,6132 5328,6132 ; 5316,6134 5328,6134 ; 5316,6230 5336,6230 ; 5318,5896 5330,5896 ; 5318,5898 5330,5898 ; 5318,5900 5328,5900 ; 5318,6098 5328,6098 ; 5318,6100 5330,6100 ; 5318,6102 5330,6102 ; 5318,6104 5330,6104 ; 5318,6126 5330,6126 ; 5318,6128 5330,6128 ; 5318,6130 5328,6130 ; 5318,6228 5338,6228 ; 5320,5890 5332,5890 ; 5320,5892 5332,5892 ; 5320,5894 5330,5894 ; 5320,5936 5336,5936 ; 5320,6106 5330,6106 ; 5320,6108 5330,6108 ; 5320,6110 5332,6110 ; 5320,6112 5332,6112 ; 5320,6114 5332,6114 ; 5320,6116 5332,6116 ; 5320,6118 5332,6118 ; 5320,6120 5332,6120 ; 5320,6122 5330,6122 ; 5320,6124 5330,6124 ; 5322,5880 5334,5880 ; 5322,5882 5334,5882 ; 5322,5884 5332,5884 ; 5322,5886 5332,5886 ; 5322,5888 5332,5888 ; 5322,5938 5338,5938 ; 5322,6226 5342,6226 ; 5324,5870 5336,5870 ; 5324,5872 5336,5872 ; 5324,5874 5336,5874 ; 5324,5876 5334,5876 ; 5324,5878 5334,5878 ; 5324,5940 5340,5940 ; 5326,5858 5338,5858 ; 5326,5860 5338,5860 ; 5326,5862 5338,5862 ; 5326,5864 5336,5864 ; 5326,5866 5336,5866 ; 5326,5868 5336,5868 ; 5326,5942 5342,5942 ; 5326,6224 5344,6224 ; 5328,5840 5340,5840 ; 5328,5842 5340,5842 ; 5328,5844 5340,5844 ; 5328,5846 5340,5846 ; 5328,5848 5340,5848 ; 5328,5850 5338,5850 ; 5328,5852 5338,5852 ; 5328,5854 5338,5854 ; 5328,5856 5338,5856 ; 5328,6222 5348,6222 ; 5330,5822 5342,5822 ; 5330,5824 5342,5824 ; 5330,5826 5342,5826 ; 5330,5828 5342,5828 ; 5330,5830 5340,5830 ; 5330,5832 5340,5832 ; 5330,5834 5340,5834 ; 5330,5836 5340,5836 ; 5330,5838 5340,5838 ; 5330,5944 5344,5944 ; 5332,5812 5342,5812 ; 5332,5814 5342,5814 ; 5332,5816 5342,5816 ; 5332,5818 5342,5818 ; 5332,5820 5342,5820 ; 5332,5946 5346,5946 ; 5332,6220 5350,6220 ; 5334,5810 5340,5810 ; 5334,5948 5348,5948 ; 5334,6218 5352,6218 ; 5336,5950 5350,5950 ; 5336,6216 5354,6216 ; 5338,5952 5352,5952 ; 5340,5954 5354,5954 ; 5340,6214 5356,6214 ; 5342,5956 5356,5956 ; 5342,5958 5358,5958 ; 5342,6212 5358,6212 ; 5344,5960 5358,5960 ; 5344,6210 5360,6210 ; 5346,5962 5360,5962 ; 5346,6208 5362,6208 ; 5348,5964 5362,5964 ; 5350,5966 5364,5966 ; 5350,5968 5364,5968 ; 5350,6204 5366,6204 ; 5350,6206 5364,6206 ; 5352,5970 5366,5970 ; 5352,6202 5368,6202 ; 5354,5972 5368,5972 ; 5354,6200 5370,6200 ; 5356,5974 5368,5974 ; 5356,5976 5370,5976 ; 5356,6198 5370,6198 ; 5358,5978 5372,5978 ; 5358,6196 5372,6196 ; 5360,5980 5372,5980 ; 5360,5982 5374,5982 ; 5360,6194 5374,6194 ; 5362,5984 5374,5984 ; 5362,6190 5376,6190 ; 5362,6192 5374,6192 ; 5364,5986 5376,5986 ; 5364,5988 5378,5988 ; 5364,6188 5378,6188 ; 5366,5990 5378,5990 ; 5366,5992 5380,5992 ; 5366,6186 5378,6186 ; 5368,5994 5380,5994 ; 5368,6182 5380,6182 ; 5368,6184 5380,6184 ; 5370,5996 5382,5996 ; 5370,5998 5382,5998 ; 5370,6178 5382,6178 ; 5370,6180 5382,6180 ; 5372,6000 5384,6000 ; 5372,6002 5384,6002 ; 5372,6174 5384,6174 ; 5372,6176 5384,6176 ; 5374,6004 5386,6004 ; 5374,6006 5386,6006 ; 5374,6008 5386,6008 ; 5374,6170 5386,6170 ; 5374,6172 5386,6172 ; 5376,6010 5388,6010 ; 5376,6012 5388,6012 ; 5376,6166 5388,6166 ; 5376,6168 5388,6168 ; 5378,6014 5390,6014 ; 5378,6016 5390,6016 ; 5378,6162 5390,6162 ; 5378,6164 5390,6164 ; 5380,6018 5390,6018 ; 5380,6020 5392,6020 ; 5380,6022 5392,6022 ; 5380,6156 5392,6156 ; 5380,6158 5392,6158 ; 5380,6160 5390,6160 ; 5382,6024 5392,6024 ; 5382,6026 5394,6026 ; 5382,6150 5394,6150 ; 5382,6152 5394,6152 ; 5382,6154 5392,6154 ; 5384,6028 5394,6028 ; 5384,6030 5394,6030 ; 5384,6032 5396,6032 ; 5384,6144 5396,6144 ; 5384,6146 5396,6146 ; 5384,6148 5394,6148 ; 5386,6034 5396,6034 ; 5386,6036 5396,6036 ; 5386,6038 5398,6038 ; 5386,6040 5398,6040 ; 5386,6042 5398,6042 ; 5386,6136 5398,6136 ; 5386,6138 5398,6138 ; 5386,6140 5396,6140 ; 5386,6142 5396,6142 ; 5388,6044 5398,6044 ; 5388,6046 5400,6046 ; 5388,6048 5400,6048 ; 5388,6126 5400,6126 ; 5388,6128 5400,6128 ; 5388,6130 5400,6130 ; 5388,6132 5398,6132 ; 5388,6134 5398,6134 ; 5390,6050 5400,6050 ; 5390,6052 5400,6052 ; 5390,6054 5400,6054 ; 5390,6056 5402,6056 ; 5390,6058 5402,6058 ; 5390,6060 5402,6060 ; 5390,6114 5402,6114 ; 5390,6116 5402,6116 ; 5390,6118 5402,6118 ; 5390,6120 5402,6120 ; 5390,6122 5400,6122 ; 5390,6124 5400,6124 ; 5392,6062 5402,6062 ; 5392,6064 5402,6064 ; 5392,6066 5402,6066 ; 5392,6068 5402,6068 ; 5392,6070 5404,6070 ; 5392,6072 5404,6072 ; 5392,6074 5404,6074 ; 5392,6076 5404,6076 ; 5392,6078 5404,6078 ; 5392,6080 5404,6080 ; 5392,6082 5404,6082 ; 5392,6084 5404,6084 ; 5392,6086 5404,6086 ; 5392,6088 5404,6088 ; 5392,6090 5404,6090 ; 5392,6092 5404,6092 ; 5392,6094 5404,6094 ; 5392,6096 5404,6096 ; 5392,6098 5404,6098 ; 5392,6100 5404,6100 ; 5392,6102 5404,6102 ; 5392,6104 5404,6104 ; 5392,6106 5402,6106 ; 5392,6108 5402,6108 ; 5392,6110 5402,6110 ; 5392,6112 5402,6112